# Allegro board A523-EVB-AXP717C-LPDDR4-4X-32X1-V1-0.brd (continued)
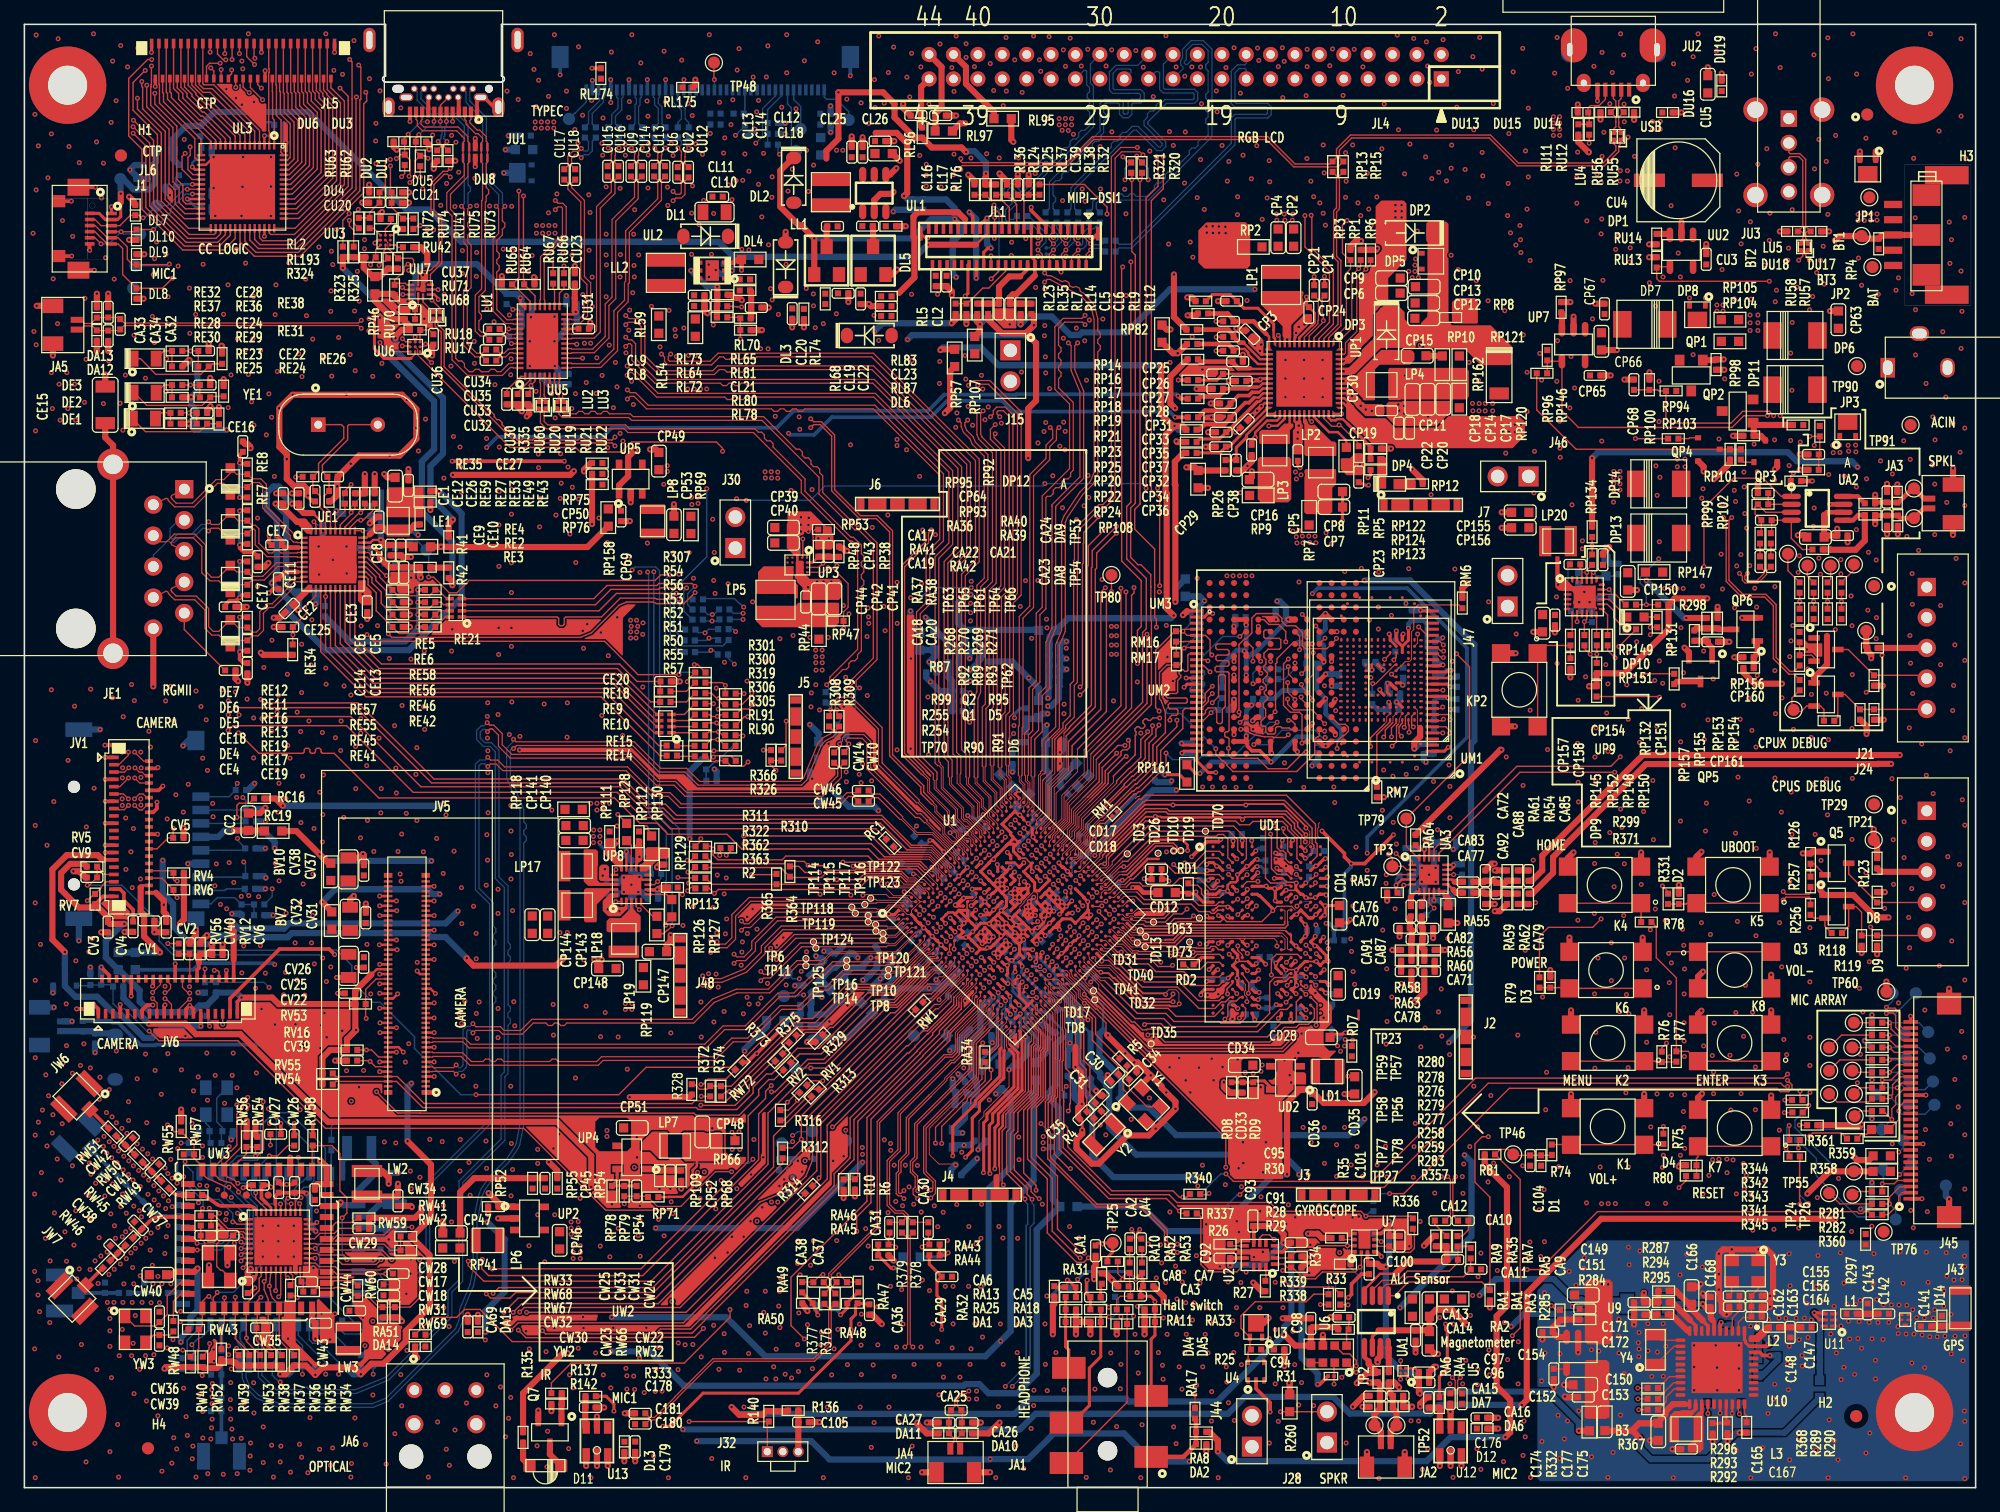
[diagram p0: board, top side]
## Routing (per net, layer and track width the routed paths; a pad name or vN(x,y) marks a point on that pad's centre or on a via; arc(x,y) is an arc through that point) (continued)
HPOUTL: length 27.2
  TOP w0.076: 80.75,35.92 80.52,36.16 80.52,37.09 U1.AH1
  TOP w0.254: v1(85.52,17.02) 85.6,17.02 CA6.1 86.23,16.4 RA13.1 ; 80.75,35.92 81.14,35.54 81.14,32.87 78.93,30.65 78.93,30.19 78.66,29.92 78.66,25.85 v1(78.64,25.83)
  L4 w0.254: v1(85.52,17.02) 78.64,23.9 v1(78.64,25.83)
  BOTTOM w0.254: RU77.1 85.52,16.55 v1(85.52,17.02)
HPOUTL-C: length 127.4
  TOP w0.203: UU7.3 33.63,97.84 33.93,97.54 v1(33.93,97.43)
  L3 w0.254: v1(83.84,15.71) 71,15.71 66.92,19.79 61.97,19.79 60.54,18.36 44.77,18.36 41.66,21.47 41.66,58.39 41.99,58.72 41.99,58.75 42,58.77 42,63.7 41.4,64.3 41.4,87 36.45,91.95 36.45,94.34 33.93,96.86 v1(33.93,97.43)
  BOTTOM w0.254: RU77.2 84.17,15.71 v1(83.84,15.71)
HPOUTR: length 28.9
  TOP w0.254: U1.AJ2 81.67,37.36 81.67,36.8 81.8,36.67 81.8,32.6 79.86,30.65 79.86,29.79 79.58,29.51 79.58,26.15 v1(79.57,26.14) ; RA18.1 CA5.1 87.07,15.95 87.07,16.95 v1(87.14,17.01)
  L4 w0.254: v1(87.14,17.01) 87.08,17.01 86.55,17.54 86.4,17.54 79.58,24.36 79.58,25.48 79.68,25.58 79.68,26.03 v1(79.57,26.14)
  BOTTOM w0.254: CA5.1 87.14,15.89 v1(87.14,17.01)
HPOUTR-C: length 135.6
  TOP w0.114: v1(31,98.43) 31.19,98.24 UU7.9
  L3 w0.254: v1(31,98.43) 31.05,98.43 35.54,93.95 35.54,91.55 40.4,86.69 40.4,63.91 41.06,63.25 41.06,59.12 40.65,58.71 40.65,21.18 44.39,17.44 60.93,17.44 62.37,18.88 66.51,18.88 70.59,14.8 v1(88.91,14.8)
  BOTTOM w0.254: v1(88.91,14.8) 88.26,15.45 RU79.2
HS-MIC: length 43.8
  TOP w0.102: RA10.1 89.66,17.56 90.05,17.16 ; v1(74.71,28.25) 74.71,29.55 77.14,31.98 77.14,32.13 78.52,33.52 78.52,34.66 RA34.1 ; 90.05,17.16 90.05,17.28 90.38,17.61 RA52.2 90.63,16.59 CA8.1 90.68,16.37 CA3.1 89.86,15.7 89.57,15.4 RA11.1 ; 90.05,17.16 v1(90.05,17.07)
  L3 w0.102: v1(90.05,17.07) 89.54,16.56 84.92,16.56 84.38,17.1 76.1,17.1 v1(75.51,16.51)
  L4 w0.102: v1(74.71,28.25) 74.71,25.53 75.72,24.52 75.72,20.77 76.41,20.09 76.41,17.4 v1(75.51,16.51)
  BOTTOM w0.102: v1(90.05,17.07) 90.03,17.05 89.82,17.05 89.43,16.66 RU76.1
HS-MIC-C: length 132.6
  TOP w0.102: v1(31.01,94.22) 31.27,93.96 UU6.C3
  L3 w0.114: v1(88.95,14.01) 88.85,14.1 70.05,14.1 68.43,15.72 43.97,15.72 38.48,21.22 38.48,22 38.46,22.02 38.46,85.99 31.45,93 31.45,93.78 v1(31.01,94.22)
  BOTTOM w0.114: RU76.2 89.71,15.38 89.71,14.42 89.29,14.01 v1(88.95,14.01)
I2S0-BCLK: length 68.9
  TOP w0.076: 85.91,59.96 85.91,58.86 84.44,57.39 84.44,54.8 83.75,54.11 83.75,53.76 U1.J28
  TOP w0.114: TP80.1 89.14,73.49 v1(89.13,73.48) 88.72,73.08 88.72,63.65 85.91,60.84 85.91,59.96 ; UA3.1 113.8,51.35 113.51,51.64 112.84,51.64 v1(112.48,52)
  L3 w0.114: v1(112.48,52) 109.12,55.35 109.12,71.01 106.41,73.72 103.55,73.72 101.14,76.12 95.73,76.12 94.84,75.23 91.9,75.23 91.36,74.7 90.2,74.7 89.13,73.63 v1(89.13,73.48)
I2S0-DIN: length 67
  TOP w0.076: 88,61.16 87.16,60.33 87.16,58.56 85.25,56.66 85.25,54.79 84.49,54.03 84.49,53.86 84.06,53.43 U1.K28
  TOP w0.114: UA3.3 v1(111.67,50.27) ; 88,61.16 90.79,63.95 90.79,73.18 90.99,73.38 90.99,73.8 v1(90.98,73.81)
  L3 w0.114: v1(111.67,50.27) 111.67,51.45 108.24,54.88 108.24,70.64 106.37,72.52 103.48,72.52 100.76,75.23 96.11,75.23 95.22,74.35 92.28,74.35 91.74,73.81 v1(90.98,73.81)
I2S0-LRCK: length 66.7
  TOP w0.076: 86.35,60.56 86.35,58.7 84.6,56.95 84.6,54.6 U1.J29
  TOP w0.114: 86.35,60.56 89.92,64.12 v1(89.92,73.76) ; v1(111.84,51.96) 112.17,51.64 TP3.1 113.06,50.95 113.34,50.67 UA3.2
  L3 w0.114: v1(89.92,73.76) 90.4,74.24 91.57,74.24 92.1,74.78 95.05,74.78 95.94,75.67 100.94,75.67 103.67,72.94 106.54,72.94 108.66,70.82 108.66,55.14 v1(111.84,51.96)
I2S0-MCLK: length 76.7
  TOP w0.076: U1.J27 83.35,53.71 83.6,53.96 83.6,54.17 84.22,54.79 84.22,57.42 85.6,58.8
  TOP w0.114: v1(117.43,68.38) 118.5,67.31 118.5,60.05 TP79.1 113.31,52.6 114.26,51.65 UA3.20 ; 85.6,58.8 85.6,61.17 87.24,62.81 88.27,63.84 88.27,73.43 v1(88.63,73.8)
  L3 w0.114: v1(88.63,73.8) 89.99,75.16 91.16,75.16 91.69,75.69 94.56,75.69 95.45,76.58 101.35,76.58 103.09,74.83 107.08,74.83 107.93,73.99 113.4,73.99 117.37,70.02 117.37,68.44 v1(117.43,68.38)
INTB: length 1.3
  TOP w0.114: UE1.31 v1(27.76,78.48)
  BOTTOM w0.102: v1(27.76,78.48) 27.77,78.48 RE33.2
IR-RX: length 176.1
  TOP w0.114: R307.1 54.35,66.21 v1(54.35,66.1) ; v1(123.22,17.88) 124.24,17.88 128.99,22.63 150.27,22.63 150.42,22.48 150.72,22.48 150.88,22.63 151.24,22.63 R360.1 ; J32.1 60.92,5.3 R140.1 v1(54.51,5.42)
  L3 w0.114: v1(53.04,23.44) 53.47,23.88 53.47,49.6 53.16,49.91 53.16,51.18 52.91,51.44 52.91,64.26 52.94,64.3 52.94,64.69 v1(54.35,66.1) ; v1(123.22,17.88) 122.28,17.88 119.56,15.16 110.69,15.16 109.89,14.37 92.58,14.37 91.86,13.65 88.58,13.65 88.45,13.79 54.57,13.79 v1(53.09,15.27)
  L4 w0.114: v1(53.04,23.44) 52.72,23.13 52.72,21.98 53.09,21.62 v1(53.09,15.27) 53.09,14.01 52.55,13.47 52.55,11.28 54.51,9.32 v1(54.51,5.42)
IR-TX: length 71.4
  TOP w0.114: R306.1 59.04,63.22 v1(59.31,63.22) ; R137.1 43.21,8.59 44.83,10.21 54.1,10.21 57.86,13.97 v1(57.86,14.61)
  L3 w0.114: v1(57.12,25.2) 57.12,25.51 56.04,26.59 56.04,37.44 54.78,38.7 54.78,44.92 58.36,48.5 58.36,59.78 58.48,59.9 58.48,62.4 v1(59.31,63.22)
  L4 w0.114: v1(57.86,14.61) 57.12,15.34 v1(57.12,25.2)
JTAG-SEL: length 37.6
  TOP w0.114: v1(77.35,49.42) 77.3,49.42 U1.F12
  L4 w0.114: J30.1 58.3,73.43 59.63,72.09 59.63,71.36 62.11,68.88 62.11,62.71 65.05,59.77 65.27,59.77 66.22,58.82 66.22,58.06 73.1,51.18 73.36,51.18 74,50.53 75.28,50.53 76.4,49.42 v1(77.35,49.42)
L/R: length 5.8
  TOP w0.114: JL1.24 80.46,99.76 79.08,98.37 78.59,98.37 77.31,97.1 RL35.2 RL23.1
LCD-BL-EN: length 33.6
  TOP w0.114: v1(58.81,96.82) 58.45,96.82 58.42,96.86 58.08,96.86 58.05,96.89 RL64.1
  L3 w0.114: v1(59.72,72.64) 59.66,72.69 58.65,72.69 58.23,72.28 58.23,70.83 58.7,70.36 58.7,68.01 v1(58.21,67.53)
  L4 w0.114: v1(59.72,72.64) 59.72,75.17 59.62,75.27 59.62,81.23 59.19,81.66 59.19,96.44 v1(58.81,96.82)
  BOTTOM w0.114: R304.1 57.7,68.05 v1(58.21,67.53)
LCD-CLK: length 20.8
  BOTTOM w0.102: RL33.2 81.1,104 80.85,104 80.75,104.1 80.75,104.67 81.28,105.21 81.28,105.6 80.62,106.26 80.62,106.4 80.84,106.62 80.98,106.62 81.64,105.96 82.04,105.96 83.85,107.78 83.85,108.17 83.56,108.47 83.56,108.61 83.7,108.76 83.85,108.76 84.14,108.46 84.54,108.46 87.66,111.58 87.66,114.93 87.41,115.17 87.41,116.76 JL4.30
LCD-D2: length 101.4
  TOP w0.076: 77.88,58.29 77.88,58.27 77.96,58.2 77.96,57.75 79.1,56.61 79.1,55.61 79.46,55.24 U1.A24
  TOP w0.102: 77.88,58.29 77.88,64.76 78.1,65.3 78.1,73.99 78.7,74.59 78.7,84.59 77.72,85.57 77.54,86 77.02,86.53 76.81,87.02 76.81,87.32 v1(76.59,87.55)
  L4 w0.102: JL4.4 113.36,116.7 113.21,116.7 113.11,116.8 113.11,116.96 113.32,117.18 113.32,117.89 112.55,118.67 110.73,119.42 95.87,119.42 93.66,118.5 93.02,117.87 93.02,115.32 92.96,115.18 92.68,114.89 91.39,114.36 82.8,114.36 78.24,109.8 78.24,108.47 77.66,107.07 75.69,105.09 75.36,104.31 75.36,95.03 75.81,93.96 75.81,89.3 76.82,88.28 76.82,87.79 v1(76.59,87.55)
LCD-D3: length 101.2
  TOP w0.076: U1.B24 79.81,55.12 79.59,55.35 79.57,55.35 79.25,55.67 79.25,56.67 78.11,57.81 78.11,58.2 78.19,58.27 78.19,58.29
  TOP w0.102: 78.19,58.29 78.19,64.7 78.41,65.23 78.41,73.87 79,74.47 79,84.71 77.98,85.74 77.8,86.18 77.27,86.7 77.12,87.08 77.12,87.32 v1(77.34,87.55)
  L4 w0.102: v1(77.34,87.55) 77.1,87.79 77.1,88.4 76.09,89.42 76.09,94.02 75.64,95.09 75.64,104.25 75.92,104.94 77.9,106.91 78.52,108.41 78.52,109.68 82.91,114.08 91.45,114.08 92.84,114.66 93.2,115.02 93.3,115.27 93.3,117.75 93.82,118.27 95.93,119.14 110.68,119.14 112.39,118.43 113.05,117.78 113.05,117.3 112.83,117.08 112.83,116.69 113.01,116.5 113.01,116.36 JL4.5
LCD-D4: length 98
  TOP w0.076: U1.A25 79.58,55.71 79.58,56.95 78.62,57.91 78.62,59.1 78.54,59.17 78.54,59.19
  TOP w0.102: 78.54,59.19 78.54,64.02 78.8,64.27 78.8,73.71 79.38,74.29 79.38,84.87 78.26,85.99 78.11,86.37 78.11,88.05 v1(77.86,88.3)
  L4 w0.102: v1(77.86,88.3) 77.86,88.69 77.53,89.03 77.27,89.03 76.45,89.84 76.45,98.03 76.83,98.41 76.83,104.89 79.27,107.33 79.27,109.81 83.18,113.72 95.49,113.72 97.06,115.28 97.06,117.94 97.9,118.78 110.59,118.78 111.24,118.13 111.24,117.09 111.11,116.96 111.11,116.8 111.21,116.7 111.36,116.7 JL4.6
LCD-D5: length 98.1
  TOP w0.076: 78.85,59.19 78.85,59.17 78.77,59.1 78.77,57.98 79.74,57.01 79.74,55.9 80.17,55.47 U1.B25
  TOP w0.102: 78.85,59.19 78.85,63.89 79.1,64.15 79.1,73.58 79.68,74.17 79.68,85 78.52,86.16 78.41,86.43 78.41,88.09 v1(78.62,88.3)
  L4 w0.102: v1(78.62,88.3) 78.14,88.78 78.14,88.81 77.64,89.31 77.38,89.31 76.73,89.96 76.73,97.91 77.11,98.29 77.11,104.78 79.55,107.21 79.55,109.69 79.88,110.02 80.13,110.02 80.34,110.24 80.34,110.48 83.29,113.44 95.61,113.44 97.34,115.17 97.34,117.82 98.01,118.5 110.47,118.5 110.96,118.01 110.96,117.21 110.83,117.08 110.83,116.69 111.01,116.5 111.01,116.36 JL4.7
LCD-D6: length 101.5
  TOP w0.076: 79.2,59.27 79.2,59.25 79.27,59.18 79.27,58.05 80.01,57.32 80.01,55.99 U1.A26
  TOP w0.102: v1(79.61,87.18) 79.2,86.78 79.2,85.99 80.07,85.12 80.07,73.96 79.46,73.34 79.46,64 79.2,63.75 79.2,63.54 79.2,63.54 79.2,59.27
  L4 w0.102: v1(79.61,87.18) 79.85,86.94 80.38,86.94 80.48,87.04 80.48,88.64 79.58,89.55 79.58,95.65 81.39,97.46 81.39,102.94 86.68,108.23 100.12,108.23 101.82,109.93 102.19,109.93 103.46,108.66 103.6,108.66 103.92,108.97 103.92,109.12 102.65,110.39 102.65,110.76 103.21,111.32 103.58,111.32 104.85,110.05 104.99,110.05 105.4,110.46 105.4,110.61 104.14,111.87 104.14,112.25 104.6,112.71 104.97,112.71 106.24,111.44 106.38,111.44 106.66,111.72 106.66,111.86 105.39,113.13 105.39,113.5 105.81,113.92 106.18,113.92 107.45,112.66 107.6,112.66 107.87,112.93 107.87,113.07 106.6,114.34 106.6,114.72 107.01,115.12 107.01,115.91 107.82,116.71 109.37,116.71 JL4.8
LCD-D7: length 101.4
  TOP w0.076: U1.B26 80.52,55.83 80.16,56.19 80.16,57.38 79.43,58.11 79.43,59.18 79.5,59.25 79.5,59.27
  TOP w0.102: v1(79.61,86.43) 79.51,86.33 79.51,86.11 80.38,85.25 80.38,73.83 79.76,73.22 79.76,63.87 79.51,63.62 79.51,63.42 79.5,63.41 79.5,59.27
  L4 w0.102: JL4.9 108.62,115.53 109.16,116.07 109.16,116.33 109.06,116.43 107.93,116.43 107.29,115.79 107.29,115.01 106.88,114.6 106.88,114.46 108.15,113.19 108.15,112.81 107.71,112.38 107.34,112.38 106.07,113.64 105.93,113.64 105.67,113.39 105.67,113.25 106.94,111.98 106.94,111.6 106.5,111.16 106.12,111.16 104.86,112.43 104.71,112.43 104.41,112.13 104.41,111.99 105.68,110.72 105.68,110.35 105.11,109.77 104.73,109.77 103.47,111.04 103.32,111.04 102.93,110.65 102.93,110.5 104.2,109.23 104.2,108.86 103.72,108.38 103.35,108.38 102.08,109.65 101.93,109.65 100.23,107.95 86.79,107.95 81.67,102.83 81.67,102.13 81.85,101.95 81.85,101.65 81.67,101.47 81.67,97.34 79.86,95.53 79.86,89.66 80.76,88.76 80.76,86.93 80.5,86.66 79.84,86.66 v1(79.61,86.43)
LCD-D10: length 99
  TOP w0.076: U1.A27 80.35,56.36 80.35,58.01 79.93,58.43 79.93,59.03 79.85,59.11 79.85,59.13
  TOP w0.102: 79.85,59.13 79.85,63.46 80.12,63.73 80.12,73.04 80.75,73.67 80.75,87.84 80.29,88.31 79.85,88.31 79.75,88.21 79.75,88.04 v1(79.98,87.82)
  L4 w0.102: v1(79.98,87.82) 79.74,88.06 79.74,88.88 79.23,89.39 79.23,96.53 80.33,97.64 80.33,100.34 80.51,100.51 80.51,100.82 80.33,100.99 80.33,101.3 80.51,101.47 80.51,101.78 80.33,101.95 80.33,102.26 80.51,102.43 80.51,102.74 80.33,102.91 80.33,103.56 81.04,104.27 81.29,104.27 81.5,104.48 81.5,104.73 81.72,104.94 81.97,104.94 82.18,105.16 82.18,105.41 82.4,105.62 82.65,105.62 82.86,105.84 82.86,106.09 83.58,106.8 83.82,106.8 84.04,107.02 84.04,107.27 84.26,107.48 84.5,107.48 84.72,107.7 84.72,107.94 84.93,108.16 85.18,108.16 85.4,108.38 85.4,108.62 86.28,109.51 86.53,109.51 86.75,109.72 86.75,109.97 86.96,110.19 87.21,110.19 87.43,110.4 87.43,110.65 87.64,110.87 87.89,110.87 88.1,111.08 88.1,111.33 88.74,111.96 97.54,111.96 99.37,110.13 99.75,110.13 100.4,110.79 100.4,111.22 98.54,113.08 98.54,113.22 99,113.69 99.29,113.69 101.86,111.11 102.24,111.11 102.81,111.68 102.81,112.06 100.63,114.24 100.63,114.38 100.96,114.72 101.11,114.72 103.03,112.79 103.67,112.79 104.4,113.52 104.4,114.19 103.38,115.2 103.38,115.86 103.91,116.39 104.08,116.39 104.18,116.29 JL4.13
LCD-D11: length 99.2
  TOP w0.076: 80.16,59.13 80.16,59.11 80.08,59.03 80.08,58.49 80.5,58.08 80.5,56.56 80.88,56.18 U1.B27
  TOP w0.102: v1(79.22,87.82) 79.45,88.04 79.45,88.34 79.73,88.62 80.41,88.62 81.06,87.97 81.06,73.55 80.42,72.91 80.42,63.6 80.16,63.33 80.16,59.13
  L4 w0.102: JL4.14 104.18,116.77 104.08,116.67 103.79,116.67 103.1,115.98 103.1,115.08 104.12,114.07 104.12,113.63 103.55,113.07 103.15,113.07 101.22,114.99 100.85,114.99 100.35,114.5 100.35,114.12 102.53,111.94 102.53,111.8 102.12,111.39 101.98,111.39 99.41,113.96 98.89,113.96 98.26,113.34 98.26,112.96 100.12,111.1 100.12,110.9 99.63,110.41 99.49,110.41 97.66,112.24 88.62,112.24 80.05,103.67 80.05,97.76 78.95,96.65 78.95,89.27 79.46,88.76 79.46,88.06 v1(79.22,87.82)
LCD-D12: length 97
  TOP w0.076: 80.47,59.3 80.47,59.28 80.55,59.2 80.55,58.7 80.55,58.69 80.55,58.37 80.74,58.18 80.74,56.8 80.88,56.67 U1.A28
  TOP w0.102: v1(78.17,90.39) 78.27,90.49 79.05,90.49 81.43,88.11 81.43,73.33 80.79,72.69 80.79,63.64 80.47,63.32 80.47,59.3
  L4 w0.102: v1(78.17,90.39) 77.92,90.64 77.92,96.82 78.79,97.7 78.79,99.75 78.35,100.19 78.35,101.3 78.53,101.48 78.53,101.78 78.35,101.96 78.35,102.26 78.53,102.44 78.53,102.74 78.35,102.92 78.35,103.22 78.53,103.4 78.53,103.7 78.35,103.88 78.35,104.51 78.62,105.15 79.25,105.78 79.5,105.78 79.71,105.99 79.71,106.24 79.93,106.46 80.18,106.46 80.39,106.67 80.39,106.92 80.61,107.14 80.61,107.79 80.78,107.97 80.78,108.27 80.61,108.45 80.61,108.75 81.45,109.6 81.6,109.6 83.09,108.11 83.46,108.11 83.77,108.42 83.77,108.79 81.77,110.79 81.77,110.93 81.92,111.08 82.06,111.08 84.11,109.03 84.48,109.03 84.79,109.34 84.79,109.71 83.93,110.57 83.93,110.72 84.25,111.03 84.25,111.41 83.94,111.72 83.56,111.72 83.25,111.4 83.1,111.4 82.82,111.68 82.82,111.83 83.79,112.8 87.02,112.8 87.19,112.63 87.5,112.63 87.67,112.8 87.98,112.8 88.15,112.63 88.46,112.63 88.63,112.8 88.94,112.8 89.11,112.63 89.42,112.63 89.59,112.8 91.13,112.8 91.3,112.63 91.61,112.63 91.78,112.8 92.09,112.8 92.26,112.63 92.57,112.63 92.74,112.8 93.05,112.8 93.22,112.63 93.53,112.63 93.7,112.8 95.08,112.8 95.26,112.63 95.56,112.63 95.74,112.8 96.04,112.8 96.22,112.63 96.52,112.63 96.7,112.8 97,112.8 99.29,115.09 99.29,115.85 99.83,116.39 102.08,116.39 102.18,116.29 JL4.15
LCD-D13: length 97.2
  TOP w0.076: 80.78,59.3 80.78,59.28 80.7,59.2 80.7,58.76 80.7,58.76 80.7,58.44 80.9,58.24 80.9,56.87 81.23,56.54 U1.B28
  TOP w0.102: v1(77.41,90.39) 77.81,90.79 79.17,90.79 81.73,88.23 81.73,73.2 81.09,72.56 81.09,63.51 80.78,63.19 80.78,59.3
  L4 w0.102: JL4.16 102.18,116.77 102.08,116.67 99.71,116.67 99.01,115.97 99.01,115.21 96.89,113.08 83.68,113.08 82.54,111.94 82.54,111.57 82.99,111.12 83.36,111.12 83.68,111.44 83.82,111.44 83.97,111.29 83.97,111.15 83.65,110.83 83.65,110.46 84.51,109.59 84.51,109.45 84.37,109.31 84.22,109.31 82.18,111.36 81.8,111.36 81.49,111.05 81.49,110.67 83.49,108.68 83.49,108.53 83.34,108.39 83.2,108.39 81.71,109.88 81.34,109.88 80.33,108.87 80.33,107.25 78.38,105.31 78.07,104.57 78.07,100.07 78.51,99.63 78.51,97.81 77.64,96.94 77.64,90.62 v1(77.41,90.39)
LCD-D14: length 26.7
  BOTTOM w0.102: JL4.17 100.18,116.28 100.08,116.38 99.6,116.38 99.26,116.04 99.26,113.63 99.37,113.53 101.96,113.53 102.23,113.25 102.23,112.6 101.96,112.32 99.37,112.32 99.26,112.22 99.26,110.12 90.81,101.66 89.77,101.66 RL21.2
LCD-D15: length 26.7
  BOTTOM w0.102: RL22.2 89.77,101.97 90.68,101.97 98.96,110.25 98.96,112.34 99.24,112.62 101.83,112.62 101.93,112.73 101.93,113.12 101.83,113.22 99.24,113.22 98.96,113.5 98.96,116.17 99.48,116.68 100.08,116.68 100.18,116.79 JL4.18
LCD-D18: length 26.4
  BOTTOM w0.102: RL26.2 87.59,104.88 87.59,105.47 88.01,105.89 88.45,105.89 88.65,106.09 88.95,106.09 89.16,105.89 89.46,105.89 89.66,106.09 89.97,106.09 90.17,105.89 90.47,105.89 90.67,106.09 90.98,106.09 91.18,105.89 92.05,105.89 92.66,106.5 92.66,106.78 92.87,107 93.16,107 93.54,107.39 93.54,107.67 93.76,107.88 94.04,107.88 94.26,108.1 94.26,108.38 94.47,108.6 94.76,108.6 95.52,109.36 95.52,109.64 95.73,109.86 96.02,109.86 96.23,110.07 96.23,110.36 96.45,110.57 96.73,110.57 97.07,110.91 97.07,111.72 96.87,111.92 96.87,112.22 97.07,112.43 97.07,112.73 96.87,112.93 96.87,113.24 97.07,113.44 97.07,113.74 96.87,113.94 96.87,114.25 97.07,114.45 97.07,116.18 96.87,116.38 96.87,116.69 97.07,116.89 97.07,117.85 96.55,118.36 95.8,118.36 95.27,117.83 95.27,117.1 95.12,116.96 95.12,116.81 95.22,116.71 95.36,116.71 JL4.22
LCD-D19: length 25.7
  BOTTOM w0.102: JL4.23 95,116.35 95,116.5 94.81,116.69 94.81,117.03 94.85,117.12 94.96,117.23 94.96,117.96 95.67,118.67 96.68,118.67 97.37,117.98 97.37,110.78 92.18,105.59 88.14,105.59 87.89,105.34 87.89,104.89 RL27.2
LCD-D20: length 26.5
  BOTTOM w0.102: JL4.24 93.4,116.74 93.4,114.78 93.5,114.68 95.94,114.68 96.22,114.4 96.22,113.8 95.94,113.52 93.64,113.52 92.11,111.99 92.11,111.85 93.59,110.37 93.59,109.97 93.27,109.65 92.87,109.65 91.19,111.33 90.96,111.33 86.12,106.49 86.12,104.88 RL28.2
LCD-D21: length 26.8
  BOTTOM w0.102: JL4.25 92.78,116.12 92.99,116.12 93.09,116.02 93.09,114.66 93.37,114.38 95.81,114.38 95.91,114.28 95.91,113.93 95.81,113.83 93.52,113.83 93.3,113.61 93.02,113.61 92.8,113.4 92.8,113.11 92.59,112.9 92.3,112.9 92.09,112.68 92.09,112.4 91.81,112.12 91.81,111.72 93.28,110.24 93.28,110.1 93.14,109.95 93,109.95 91.32,111.63 90.83,111.63 90.34,111.14 90.06,111.14 89.84,110.93 89.84,110.64 89.63,110.43 89.34,110.43 89.13,110.21 89.13,109.93 88.91,109.71 88.63,109.71 88.41,109.5 88.41,109.21 85.81,106.62 85.81,106.29 85.61,106.09 85.61,105.79 85.81,105.59 85.81,104.88 RL29.2
LCD-D22: length 24.5
  BOTTOM w0.102: JL4.26 91.3,116.64 89.5,116.64 88.96,116.11 88.96,114.62 89.24,114.34 91.41,114.34 91.52,114.24 91.52,113.96 91.41,113.85 90.78,113.85 90.5,113.57 90.5,112.75 90.4,112.65 90.2,112.65 90.1,112.75 90.1,113.57 89.82,113.85 88.55,113.85 88.19,113.5 88.19,111.25 84.05,107.1 84.05,104.89 RL30.2
LCD-D23: length 24.3
  BOTTOM w0.102: JL4.27 90.75,116.09 90.75,116.24 90.64,116.34 89.62,116.34 89.27,115.98 89.27,114.75 89.37,114.65 91.54,114.65 91.82,114.37 91.82,113.83 91.54,113.55 90.91,113.55 90.81,113.45 90.81,112.62 90.53,112.34 90.07,112.34 89.79,112.62 89.79,113.45 89.69,113.55 88.67,113.55 88.5,113.38 88.5,112.78 88.7,112.58 88.7,112.28 88.5,112.08 88.5,111.12 88.28,110.9 88.28,110.62 88.07,110.41 87.78,110.41 87.57,110.19 87.57,109.91 87.35,109.69 87.07,109.69 86.5,109.12 86.5,108.83 86.28,108.62 86,108.62 85.78,108.4 85.78,108.12 85.56,107.9 85.28,107.9 85.07,107.69 85.07,107.4 84.85,107.19 84.57,107.19 84.35,106.97 84.35,106 84.55,105.8 84.55,105.5 84.35,105.3 84.35,104.87 RL31.2
LCD-DE: length 21.9
  BOTTOM w0.102: RL34.2 81.1,103.7 80.72,103.7 80.44,103.98 80.44,104.8 80.98,105.33 80.98,105.48 80.32,106.13 80.32,106.53 80.71,106.93 81.11,106.93 81.77,106.27 81.91,106.27 82.19,106.55 82.19,106.84 82.41,107.05 82.69,107.05 83.55,107.9 83.55,108.05 83.25,108.34 83.25,108.74 83.58,109.06 83.97,109.06 84.27,108.77 84.41,108.77 85.02,109.38 85.02,109.66 85.24,109.88 85.52,109.88 85.74,110.09 85.74,110.38 85.95,110.59 86.24,110.59 86.45,110.81 86.45,111.09 86.67,111.31 86.95,111.31 87.35,111.71 87.35,112.78 87.15,112.98 87.15,113.28 87.35,113.49 87.35,113.79 87.15,113.99 87.15,114.3 87.35,114.5 87.35,114.8 87.1,115.05 87.1,116.15 87.03,116.23 86.88,116.23 JL4.31
LCD-HSYNC: length 66.8
  TOP w0.076: U1.G28 83,54.77 83.5,55.27 83.5,58
  TOP w0.102: v1(91.26,109.91) 89.9,109.91 89.13,109.14 89.13,81.32 88.42,80.61 88.1,80.61 86.12,78.64 86.12,77.74 86.1,77.72 86.1,76.1 86.03,76.03 86.03,66.16 85.75,65.87 85.75,63.3 85.17,62.71 85.17,62.31 84.28,61.42 84.28,58.78 83.5,58
  L3 w0.102: JL4.29 91.26,112.45 v1(91.26,109.91)
LCD-PIO0: length 16.1
  TOP w0.114: R320.2 91.21,109.11 v1(91.21,109.19)
  L3 w0.114: JL4.38 81.09,116.63 84.19,116.63 84.97,115.85 84.97,115.64 86.17,114.44 87.39,114.44 90.7,111.13 90.7,109.7 v1(91.21,109.19)
LCD-PIO1: length 17.5
  TOP w0.114: v1(90.07,109.14) 90.53,108.68 R321.2
  L3 w0.114: v1(90.07,109.14) 90.07,111.32 87.29,114.09 84.41,114.09 82.97,115.54 82.97,115.86 82.51,116.31 78.97,116.31 JL4.39
LCD-PIO2: length 87
  TOP w0.076: U1.K27 83.7,53.35 84.34,53.99 84.34,54.12 85.07,54.86 85.07,56.77 86.9,58.6 86.9,60.51
  TOP w0.114: v1(90.32,73.46) 90.34,73.46 90.34,63.95 86.9,60.51 ; v1(93.09,73.96) 93.09,81.14 92.41,81.82 92.41,105.54 93.39,106.52 v1(93.39,109.17)
  L3 w0.114: JL4.40 78.97,118.31 86.37,118.31 86.82,118.76 92.66,118.76 93.39,118.03 v1(93.39,109.17) ; v1(90.32,73.46) 90.35,73.43 91.82,73.43 92.35,73.96 v1(93.09,73.96)
LCD-PWM: length 126.1
  TOP w0.102: U1.G26 82.02,53.98 82.02,54 81.99,54.03 81.99,54.05 v1(81.97,54.08)
  TOP w0.114: v1(58.7,94.21) RL78.1 RL80.2 58.62,95.97 RL72.1 ; v1(92.84,109.14) 92.96,109.02 92.96,106.74 91.97,105.75 v1(91.97,81.96)
  L3 w0.114: v1(92.84,109.14) 92.84,110.58 92.97,110.71 92.97,117.85 92.48,118.34 86.99,118.34 JL4.32
  L4 w0.076: v1(81.97,54.08) 82.39,54.08 82.66,54.35 82.66,54.38 82.96,54.68 82.96,54.8
  L4 w0.114: v1(83.68,82.34) 82.65,81.32 82.65,74 83.24,73.41 83.24,72.04 82.82,71.62 82.82,70.76 83.44,70.13 83.44,67.51 85.67,65.28 85.67,63.23 83.29,60.85 83.29,57.94 82.96,57.61 82.96,54.8 ; v1(58.7,94.21) 58.7,81.45 v1(59.19,80.96)
  BOTTOM w0.114: v1(59.19,80.96) 64.45,80.96 65.63,82.14 83.53,82.14 83.68,82.29 v1(83.68,82.34) 91.59,82.34 v1(91.97,81.96)
LCD-RST: length 62.6
  TOP w0.114: U1.G25 81.64,53.65 v1(81.64,53.67) ; RL32.1 86.92,106.88 88.77,105.02 v1(88.77,104.44)
  L4 w0.076: 82.84,54.31 82.2,53.67 v1(81.64,53.67)
  L4 w0.114: 82.84,54.31 83.21,54.68 83.21,57.36 83.71,57.86 83.71,60.67 86.09,63.05 86.09,65.62 84.71,67 84.71,81.18 86.03,82.5 86.03,91.16 88.82,93.95 88.82,104.39 v1(88.77,104.44)
LCD-RST-1: length 4.8
  TOP w0.114: RL32.2 RL38.2 CL39.1 81.96,105.52 JL1.19
LCD-STBYB: length 4
  TOP w0.114: RL25.1 RL37.2 81.36,105.23 JL1.21
LCD-VSYNC: length 68.4
  TOP w0.076: 84.49,59.77 84.49,58.58 83.75,57.84 83.75,55.17 U1.G29
  TOP w0.102: 84.49,59.77 84.49,61.37 85.38,62.27 85.38,62.49 86.09,63.2 86.09,65.78 86.34,66.03 86.34,75.9 86.41,75.97 86.41,77.59 86.44,77.62 86.44,78.52 88.2,80.28 88.52,80.28 89.43,81.19 89.43,109.01 89.97,109.55 91.47,109.55 v1(91.72,109.3)